# Altium PCB PCB5.PcbDoc
Units mm, origin at the board's own origin, x right, y up, seen from the top; angles counter-clockwise.
Board outline 87.5 x 87.5 mm, 2 copper layers (Top Layer, Bottom Layer); 41 components, 33 nets, 123 pads, 47 vias.
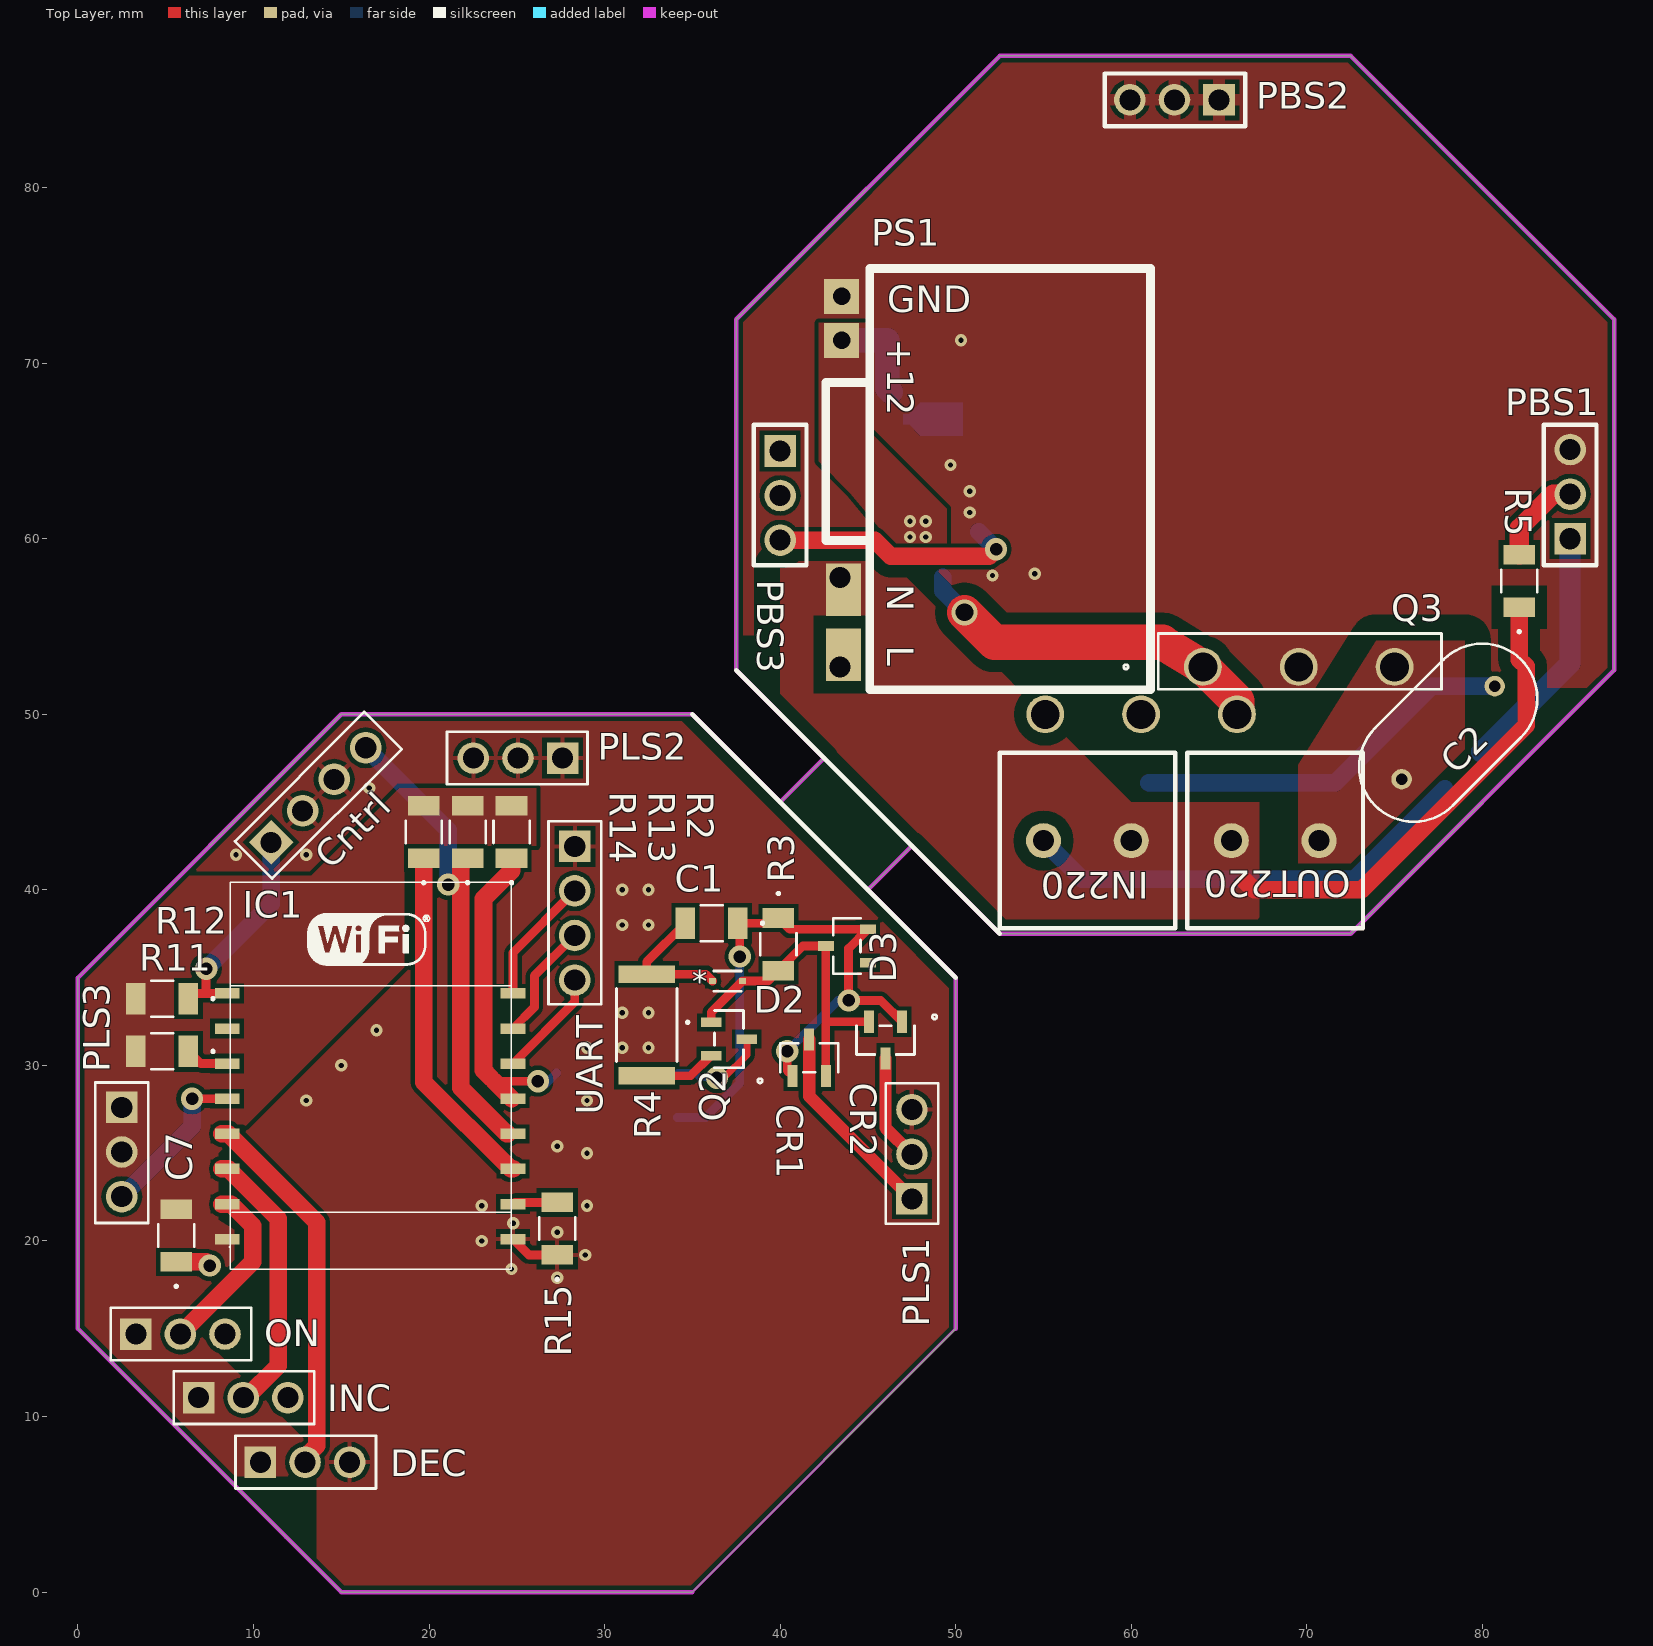
[diagram p0: Top Layer view]
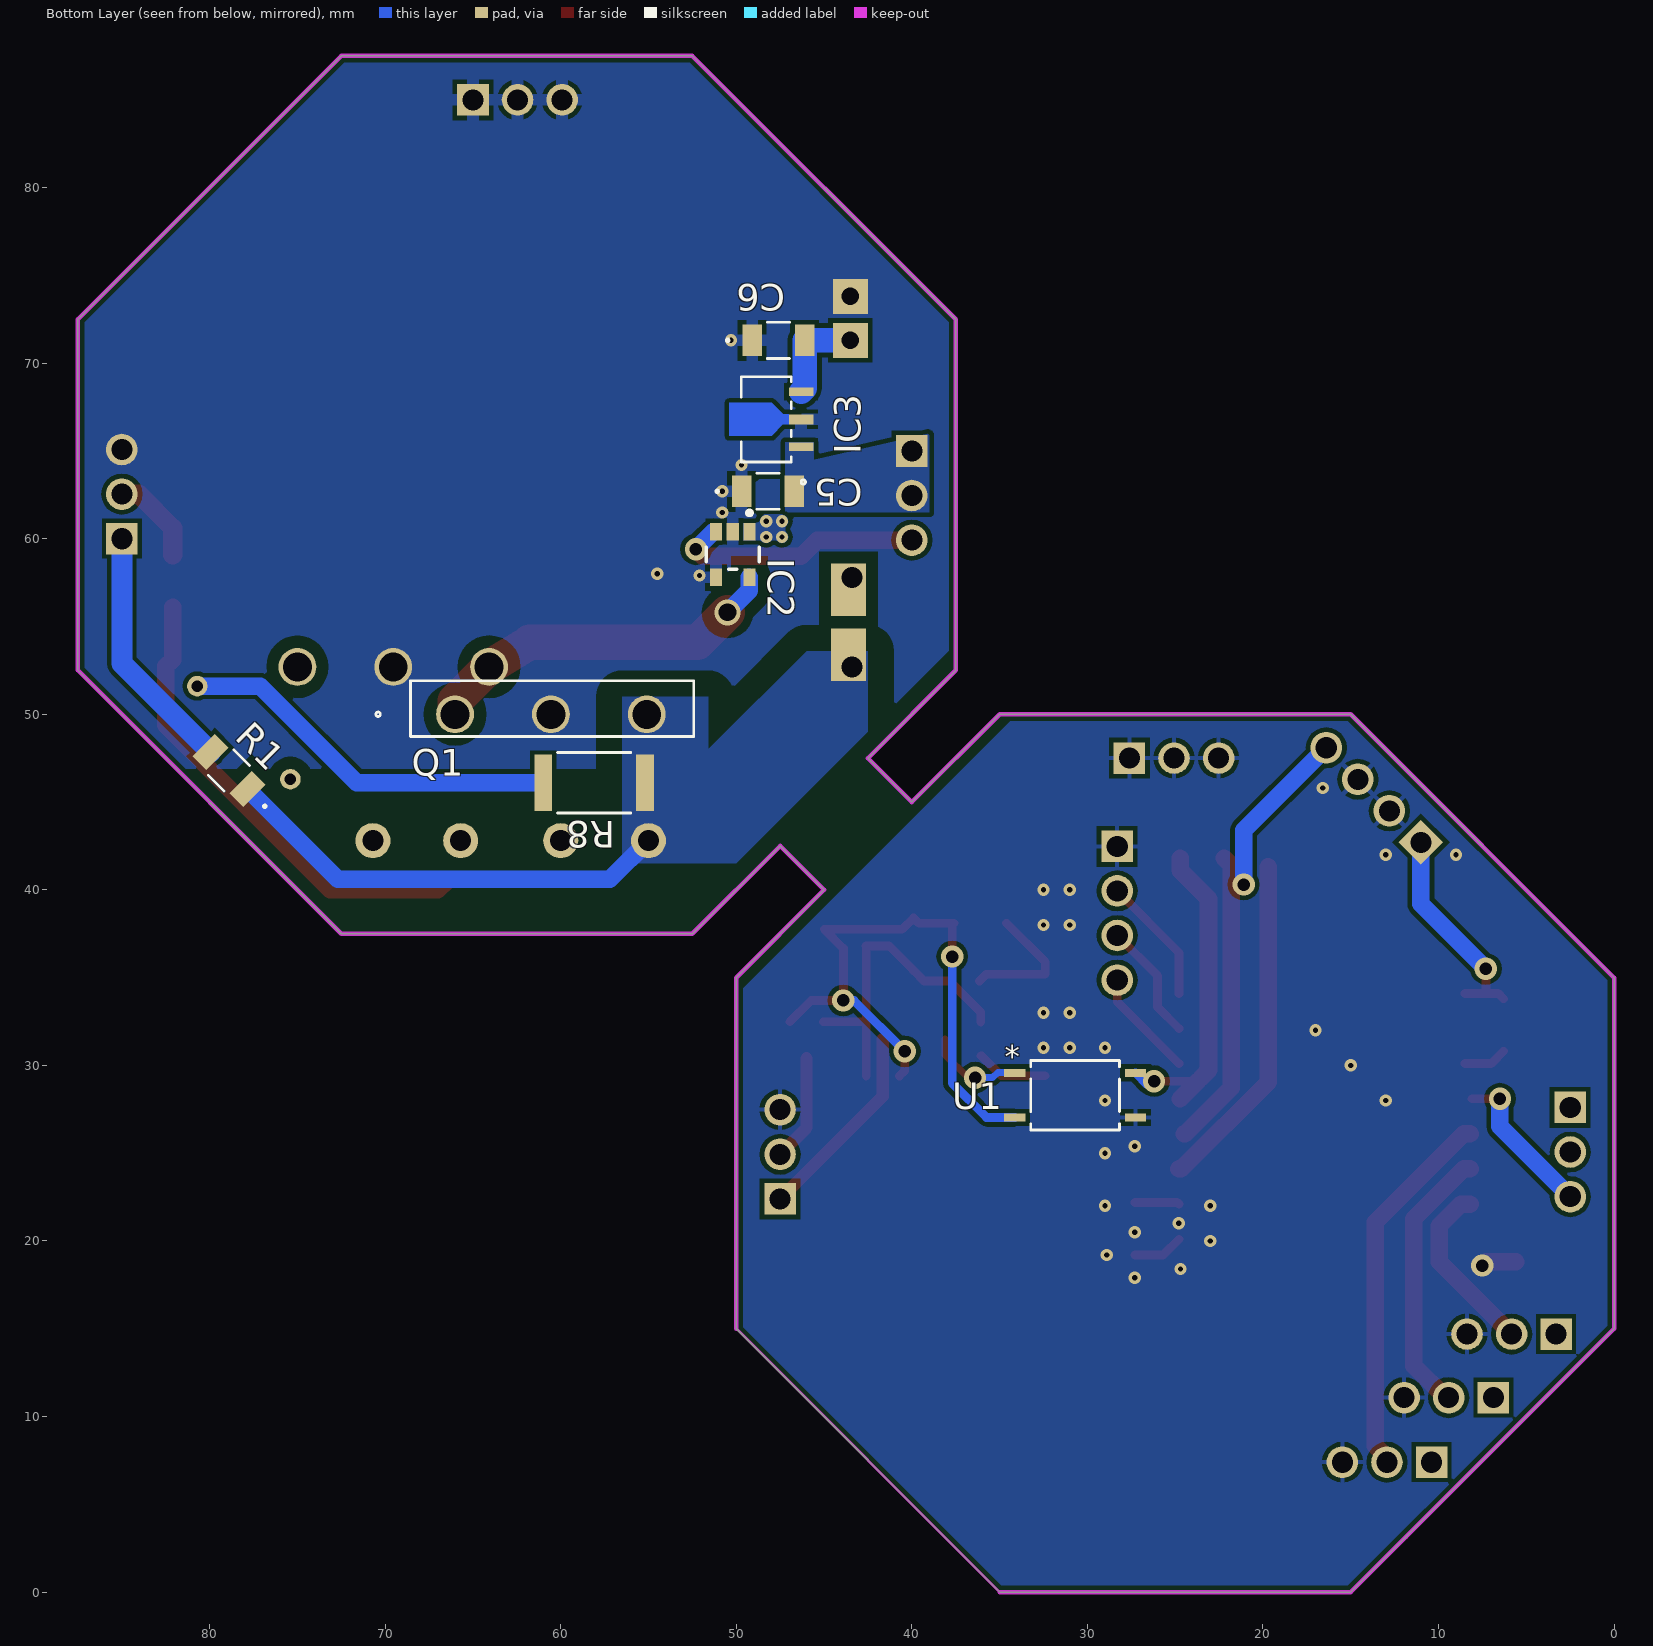
[diagram p1: Bottom Layer view, seen from below]
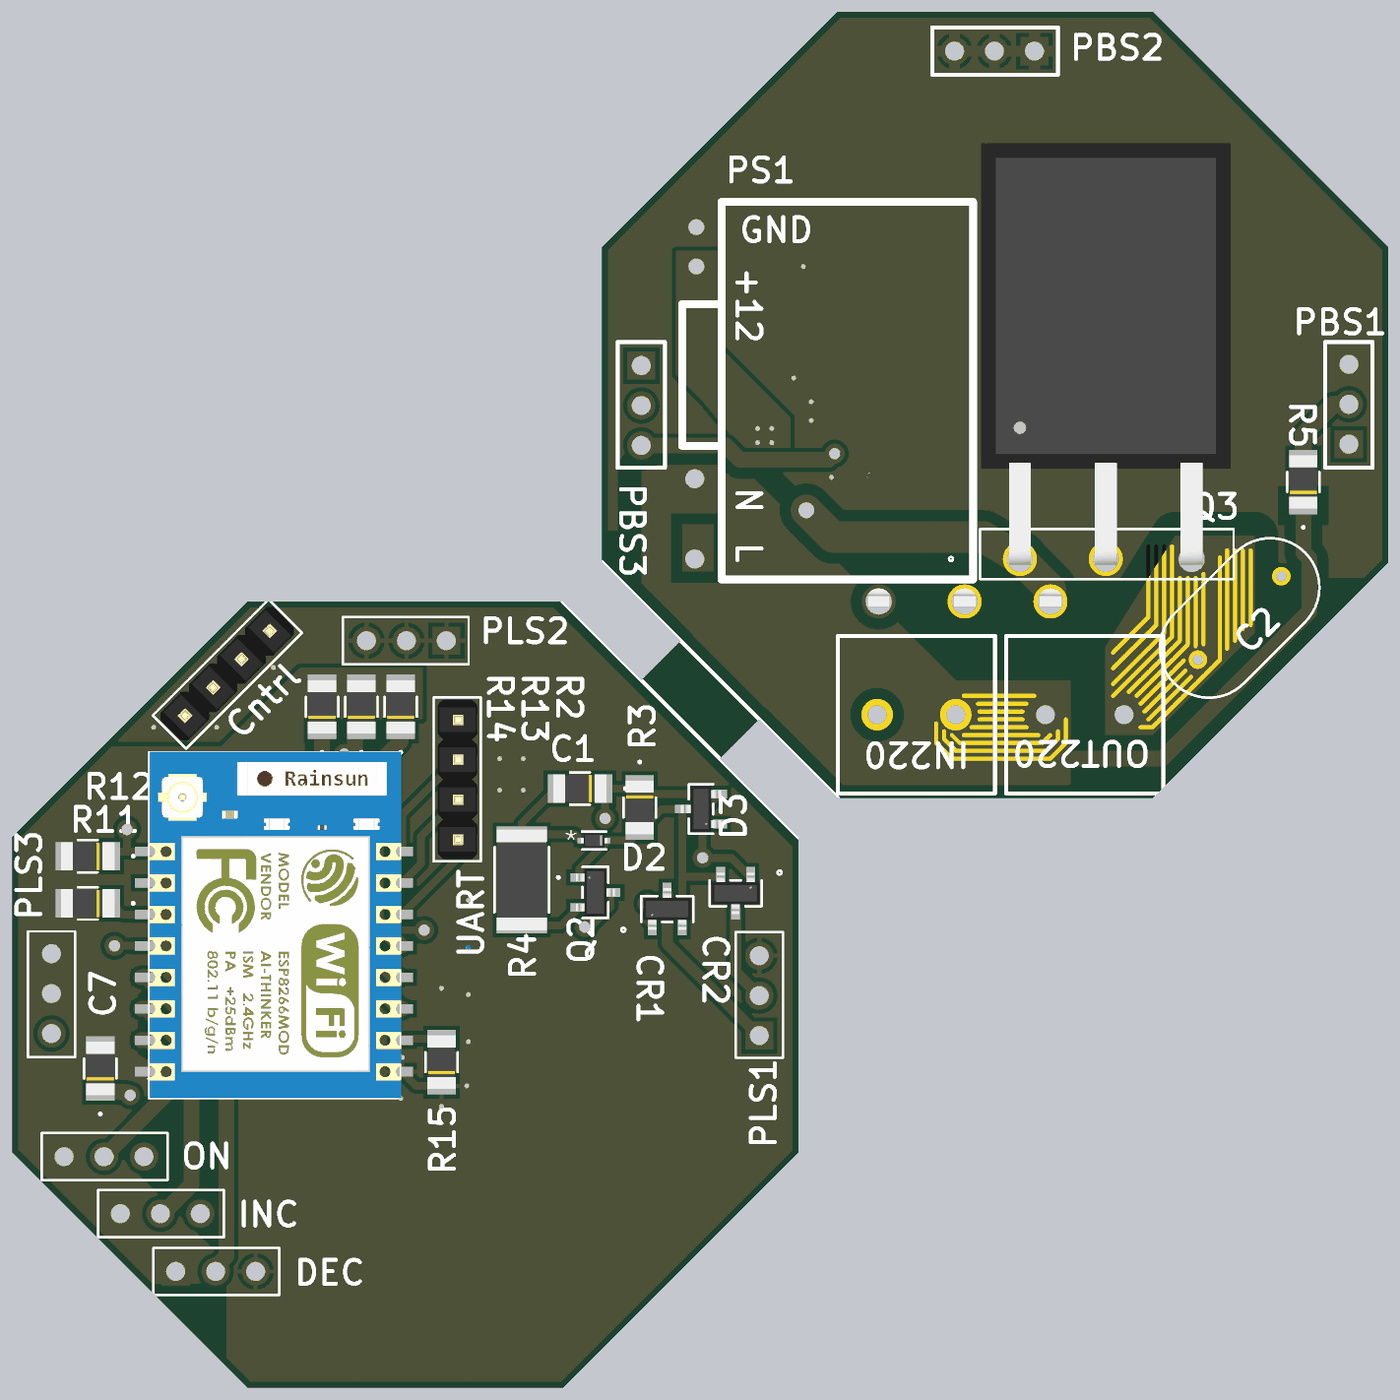
[diagram p2: 3D render of the assembled board from above, using the file's embedded part models]
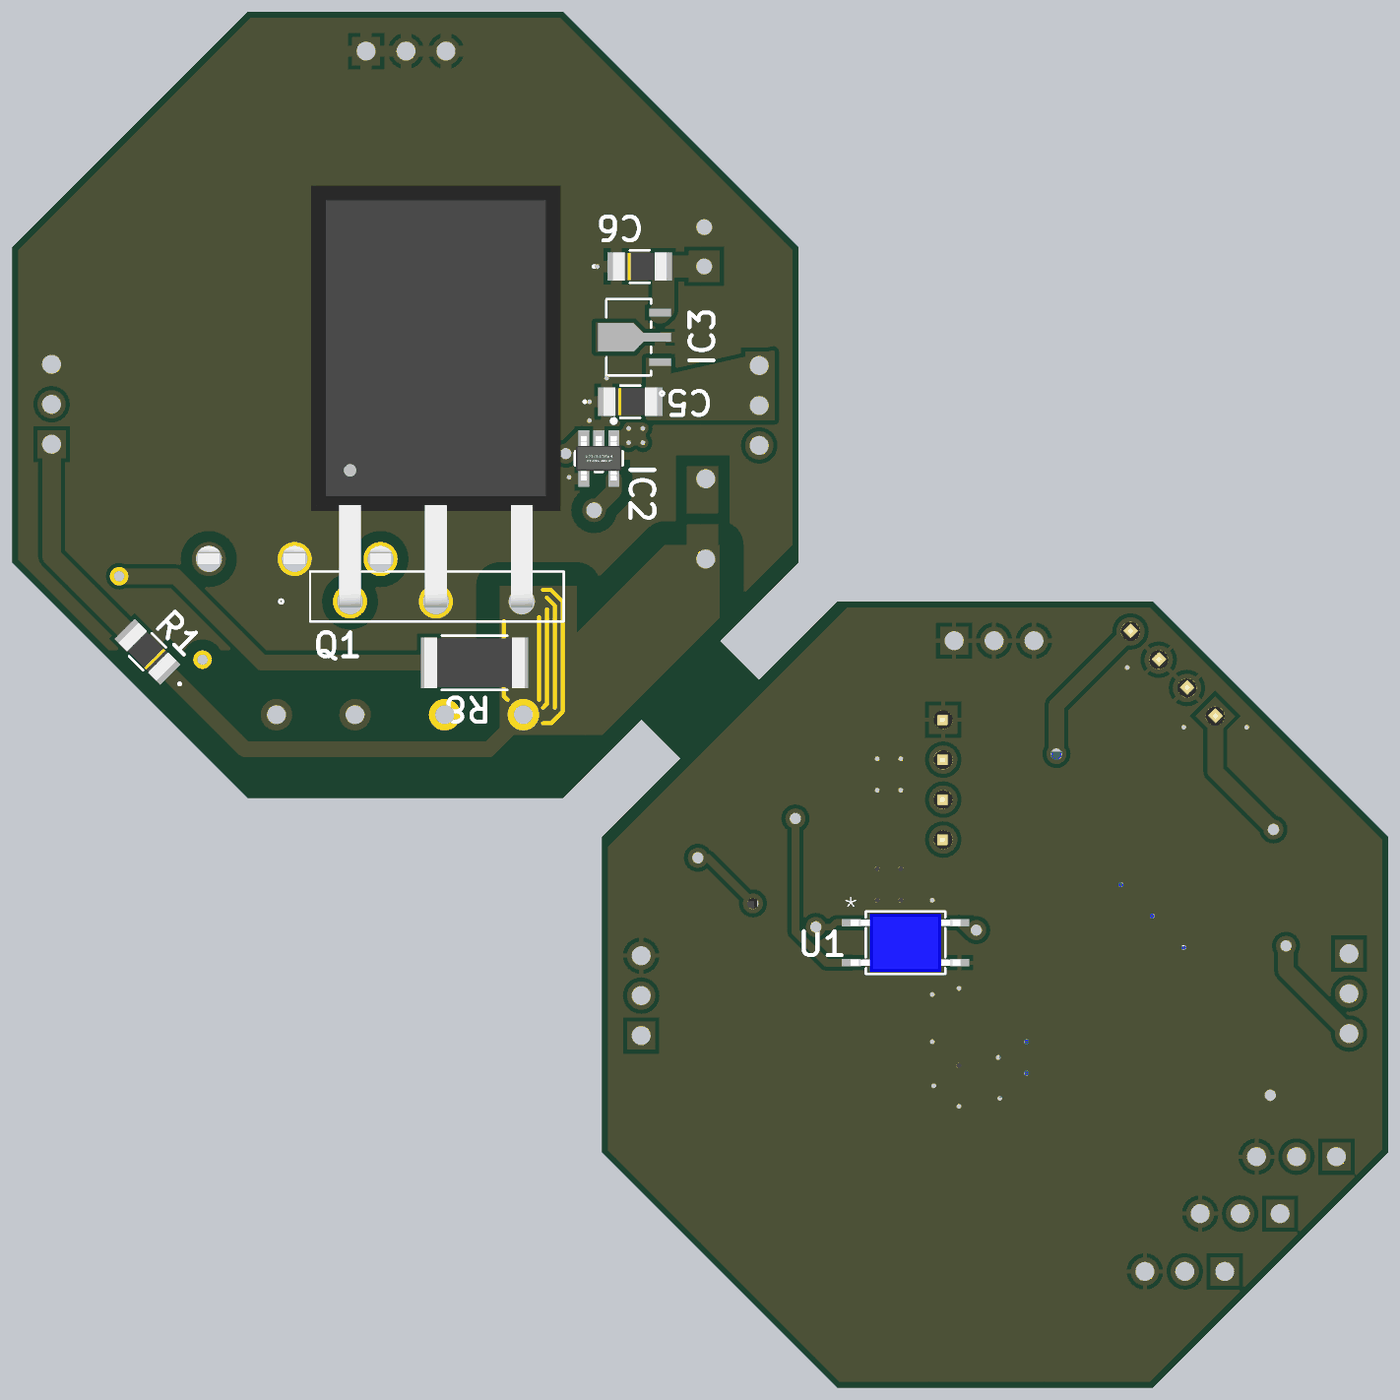
[diagram p3: 3D render of the assembled board from below, using the file's embedded part models]

## Layer stack, top to bottom
Top Solder: solder mask 0.0102, Solder Resist, Dk 3.5
Top Layer: signal copper 0.0356
Dielectric 1: dielectric 0.32, FR-4, Dk 4.8
Bottom Layer: signal copper 0.0356
Bottom Solder: solder mask 0.0102, Solder Resist, Dk 3.5

## Board outline
11.875,3.125 15,0 35,0 50,15 50,35 45,40 47.5,42.5 52.5,37.5 72.5,37.5 87.5,52.5 87.5,72.5 72.5,87.5 52.5,87.5 37.5,72.5 37.5,52.5 42.5,47.5 40,45 35,50 15,50 0,35 0,15

## Design rules (kind name [scope] priority, off if disabled: settings)
Clearance "Clearance_PS1 pads 0.254" [InPadClass('PS1 Pads')] p1: gap=0.254
Clearance Clearance_0.25 [InPadClass('IC2 Pads')] p2: gap=0.25
Clearance Clearance_Power_Nets_0.7mm [InNetClass('Power_Nets')] p3: gap=0.7 except(1.5: Poly-Poly)
Clearance [All] p4: gap=0.254
ComponentClearance ComponentClearance_1 [InComponent('PS1')] p1: gap=0 collisioncheckmode=3 verticalgap=0.254 showdistances=FALSE
ComponentClearance [All] p2: gap=0.254 collisioncheckmode=3 verticalgap=0.254 showdistances=FALSE
MinimumSolderMaskSliver [All] p1: minsoldermaskwidth=0.15
PolygonConnect PolygonConnect_Via [(ObjectKind = 'Via') And ((Net = 'GNDA') Or (Net = 'VCCA12') Or (Net = 'LOAD_CNTRLA')Or (Net = 'GND'))] p1: connectstyle=Direct reliefconductorwidth=0.254 reliefentries=4 polygonreliefangle="90 Angle" airgapwidth=0.254
PolygonConnect PolygonConnect_PowerPads [(InPadClass('Power Pads')) Or (Net='VCC3.3')] p2: connectstyle=Direct reliefconductorwidth=0.254 reliefentries=4 polygonreliefangle="90 Angle" airgapwidth=0.254
PolygonConnect PolygonConnect_GNDA_0.5 [InNet('GNDA')] p3: connectstyle=Relief reliefconductorwidth=0.7 reliefentries=4 polygonreliefangle="90 Angle" airgapwidth=0.254
PolygonConnect [All] p4: connectstyle=Relief reliefconductorwidth=0.254 reliefentries=4 polygonreliefangle="90 Angle" airgapwidth=0.254
RoutingVias [All] p1: holewidth=0.711 width=1.27 viastyle="Through Hole" minholewidth=0.254 minwidth=0.7 maxholewidth=1 maxwidth=1.524
SilkToSolderMaskClearance [IsPad] p1: minsilkscreentomaskgap=-1 clearancetoexposedcopper=TRUE
SolderMaskExpansion [All] p1: expansion=-1
Width Width_2mm [InNetClass('Power_Nets')] p1: maxlimit=4 minlimit=1 preferedwidth=2
Width Width_1mm [InNetClass('Middle Nets')] p2: maxlimit=1.4 minlimit=0.7 preferedwidth=1
Width [All] p3: maxlimit=1 minlimit=0.254 preferedwidth=0.5
27 further rules are at their usual default settings.

## Classes and differential pairs
pad class "Power Pads": C2-1 C5-2 IC2-1 IC2-5 IC3-1 IN220-1 IN220-2 OUT220-1 OUT220-2 PBS1-3 PBS3-1 PBS3-2 PBS3-3 PS1-1 PS1-2 PS1-3 PS1-4 Q1-1 Q1-2 Q1-3 Q3-1 Q3-2 Q3-3 R1-1 R5-1 R8-2
component class dimmer: C2 C5 C6 C7 Cntrl CR1 D2 D3 DEC IC1 IC2 IC3 IN220 INC ON OUT220 PBS1 PBS2 PBS3 PLS1 PLS2 PLS3 Q1 Q2 Q3 R1 R2 R3 R4 R5 R8 R11 R12 R13 R14 R15 U1 UART
pad class "IC2 Pads": IC2-1 IC2-2 IC2-3
net class Power_Nets: L_IN L_OUT N_IN NetIC2_5
net class "Middle Nets": LOAD_CNTRLA NetC2_2 NetPBS1_1 NetPBS1_2 VCCA12

## Components (designator, comment, footprint, x,y, rotation, side; value= is the part's Value field where it differs from the comment)
C1 "1206 0.47u" CAP_X7R_1206_AVX 36.1,38.1 r180 top
C2 "CK45-E3AD103ZYGNA (0.01u)" CAP_CK45E3103_TDK 78.052,48.952 r45 top
C5 "C-1206 (0.1u)" CAP_X7R_1206_AVX 48.2,62.7 r180 bottom
C6 "C-1206 0.33u" CAP_X7R_1206_AVX 47.6,71.3 r180 bottom
C7 "C-1206 0.47u" CAP_X7R_1206_AVX 5.6,20.3 r90 top
Cntrl "PLS-4" PLS-4 11.004,42.704 r45 top
CR1 "BAV99LT1G" SOT-23_TO-236_318-08_ONS 41.65,30.441 r0 top
CR2 "BAV99LT1G" SOT-23_TO-236_318-08_ONS 46,31.441 r180 top
D2 "1N4148WT" CR_SOD-523F_ONS 37,34.8 r0 top
D3 "BZX84C22VLFHT116" TRANS_BZX84_ROM 43.8,36.8 r90 top
DEC "PLS-3" PLS-3 13,7.4 r0 top
IC1 "ESP8266 ESP-07" "ESP8266 ESP-07" 8.678,39.633 r270 top
IC2 "FAN3100TSX" ON_Semi_527AH_0 50.2,59.1 r0 bottom
IC3 "L78L33ABUTR" SOT-89_STM 48.3,66.8 r90 bottom
IN220 "300-021-12" 300-021-12#1 62.5,47.8 r180 top
INC "PLS-3" PLS-3 9.483,11.077 r0 top
ON "PLS-3" PLS-3 5.9,14.7 r0 top
OUT220 "300-021-12" 300-021-12#2 73.2,47.8 r180 top
PBS1 "PBS-3" PBS-3 85,60 r90 top
PBS2 "PBS-3" PBS-3 65,85 r180 top
PBS3 "PBS-3" PBS-3 40,65 r270 top
PLS1 "PLS-3" PLS-3 47.5,25 r90 top
PLS2 "PLS-3" PLS-3 25,47.5 r180 top
PLS3 "PLS-3" PLS-3 2.5,25 r270 top
PS1 "220to12" 220to12 45.1,77.4 r270 top
Q1 "IRFP460APBF" TO-247AC_VIS#1 66.02,50 r180 bottom
Q2 "BC807-25,215" SOT23_BC807_NEX 37.084,31.5 r270 top
Q3 "IRFP460APBF" TO-247AC_VIS#2 64.08,52.7 r0 top
R1 "120k" CAP_X7R_1206_AVX 78.9,46.8 r45 bottom
R2 "10k" CAP_X7R_1206_AVX 24.7,43.3 r90 top
R3 "330k" CAP_X7R_1206_AVX 39.9,36.9 r270 top
R4 "R-2512 220" RES2512_TL_TYCO_TYC 32.4,32.3 r270 top
R5 "120k" CAP_X7R_1206_AVX 82.1,57.6 r90 top
R8 "220" RES2512_TL_TYCO_TYC 58.1,46.1 r180 bottom
R11 "10k" CAP_X7R_1206_AVX 4.8,30.8 r180 top
R12 "10k" CAP_X7R_1206_AVX 4.8,33.8 r180 top
R13 "10k" CAP_X7R_1206_AVX 22.2,43.3 r90 top
R14 "10k" CAP_X7R_1206_AVX 19.7,43.3 r90 top
R15 "10k" CAP_X7R_1206_AVX 27.3,20.7 r90 top
U1 "TLP183(GR-TPL,E" "4pin SO6_TOS" 30.7,28.3 r180 bottom
UART "PLS-4" PLS-4 28.3,42.48 r270 top

## Footprints (in the part's own frame and the unit in brackets; to place one, negate y for a bottom-side part, rotate by r counter-clockwise, add the part's x,y. Pads: shape width x height; smd on the part's side, far side on the other; paste and mask are expansions set on the pad)
"4pin SO6_TOS" [mil]
  rect 47.56x17.97 smd paste+0 mask+0: 1(-135.5,50) 3(-135.5,-50) 4(135.5,-50) 6(135.5,50)
  silkscreen extent -100,-78 100,78, body extent -138,-73 138,73, height 87
220to12 [mm]
  rect 3x2 hole 1.2 copper offset -0.7,0.2: 1(24.7,-1.7)
  rect 3x2 hole 1.2 copper offset 0.7,0.2: 2(19.6,-1.7)
  rect 2x2 hole 1: 3(6.1,-1.6) 4(3.6,-1.6)
  silkscreen extent 2,-2.5 26,16
300-021-12#1 [mm]
  round 2 hole 1.2 paste+0 mask+0: 1(2.5,5)
  round 2 hole 1.2 mask+0: 2(7.5,5)
  silkscreen extent 0,0 10,10
300-021-12#2 [mm]
  round 2 hole 1.2: 1(2.5,5) 2(7.5,5)
  silkscreen extent 0,0 10,10
CAP_CK45E3103_TDK [mil]
  round 46 hole 26 mask+0: 1(-147.64,0) 2(147.64,0)
  silkscreen extent -231,-123 232,123, body extent 0,0 10,10, height 10
CAP_X7R_1206_AVX [mil]
  rect 43.78x71 smd paste+0 mask+0: 1(-58.89,0) 2(58.89,0)
  silkscreen extent -117,-40 25,40, body extent -67,-36 67,36, height 50
CR_SOD-523F_ONS [mil]
  rect 15.87x14 smd paste+0 mask+0: 1(-33.44,0) 2(33.44,0)
  silkscreen extent -31,-22 31,22, body extent -34,-17 34,17, height 28
"ESP8266 ESP-07" [mm] "ESP8266 ESP-01"
  rect 0.6x1.4 smd: 1(5.533,-0.178) 2(7.533,-0.178) 3(9.533,-0.178) 4(11.533,-0.178) 5(13.533,-0.178) 6(15.533,-0.178) 7(17.533,-0.178) 8(19.533,-0.178) 9(19.533,16.104) 10(17.533,16.104) 11(15.533,16.104) 12(13.533,16.104) 13(11.533,16.104) 14(9.533,16.104) 15(7.533,16.104) 16(5.533,16.104)
  silkscreen extent -0.8,-0.05 21.25,16, body extent -0.81,0.07 21.19,16.07, height 3.5
ON_Semi_527AH_0 [mm]
  rect 0.7x1 smd paste+0 mask+0: 1(-0.95,-1.3) 2(0,-1.3) 3(0.95,-1.3) 4(0.95,1.3) 5(-0.95,1.3)
  silkscreen extent -1.5,-2.5 1.5,0.85, body extent -1.45,-1.4 1.45,1.4, height 1.5
PBS-3 [mm]
  rect 1.8x1.8 hole 1.2: 1(0,0)
  round 1.8 hole 1.2: 2(2.54,0) 3(5.08,0)
  silkscreen extent -1.5,-1.5 6.5,1.5
PLS-3 [mm]
  rect 1.8x1.8 hole 1.2: 1(-2.605,-0.005)
  round 1.8 hole 1.2: 2(-0.065,-0.005) 3(2.475,-0.005)
  silkscreen extent -4.03,-1.51 3.97,1.5
PLS-4 [mm]
  rect 1.8x1.8 hole 1.2: 1(0,0)
  round 1.8 hole 1.2: 2(2.54,0) 3(5.08,0) 4(7.62,0)
  silkscreen extent -1.42,-1.5 9.01,1.5, body extent -1.28,-1.25 8.88,1.29, height 9.2
RES2512_TL_TYCO_TYC [mil]
  rect 39.87x126 smd paste+0 mask+0: 1(-113.94,0) 2(113.94,0)
  silkscreen extent -82,-68 82,68, body extent -126,-63 126,63, height 24
SOT23_BC807_NEX [mil]
  rect 21.36x45.56 smd paste+0 mask+0: 1(-37.5,-40) 2(37.5,-40) 3(0,40)
  silkscreen extent -64,-96 64,32, body extent -59,-49 59,49, height 43
SOT-23_TO-236_318-08_ONS [mil]
  rect 22.36x49.56 smd paste+0 mask+0: 1(-37.4,-41) 2(37.4,-41) 3(0,41)
  silkscreen extent -115,-57 65,32, body extent -60,-52 60,52, height 44
SOT-89_STM [mil]
  rect 19x54.87 smd paste+0 mask+0: 1(-61.81,-78.44) 3(61.81,-78.44)
  rect 22x54.87 smd paste+0 mask+0: 2(0,-78.44)
  Top Layer region: 11,-51 -11,-51 -11,-37 -36.98,-12.98 -36.98,82.78 36.98,82.78 36.98,-12.98 11,-37.98
  silkscreen extent -145,-88 96,56, body extent 0,0 10,10, height 10
TO-247AC_VIS#1 [mil]
  round 85 hole 65 mask+0: 1(0,0) 2(214.96,0)
  round 85 hole 65: 3(429.92,0)
  silkscreen extent -178,-50 535,75, body extent -98,-14 527,1041, height 211
TO-247AC_VIS#2 [mil]
  round 85 hole 65 mask+0: 1(0,0) 2(214.96,0)
  round 85 hole 65 paste+0 mask-39.37: 3(429.92,0)
  silkscreen extent -178,-50 535,75, body extent -98,-14 527,1041, height 211
TRANS_BZX84_ROM [mil]
  rect 22x36 smd paste+0 mask+0: 1(-37.4,-47) 2(37.4,-47) 3(0,47)
  silkscreen extent -62,-31 62,31, body extent -57,-51 57,51, height 45

## Part data
C1 C5 C6 C7: library part C-1206, "No Description Available"
C2: library part CK45-E3AD103ZYGNA, "No Description Available"
CR1 CR2 D2 D3 IC3 Q1 Q2 Q3 U1: "No Description Available"
R1 R2 R3 R5 R11 R12 R13 R14 R15: library part R-1206, "R-1206"
R4 R8: library part R-2512, "No Description Available"

## Via types
v1: diameter 0.7, hole 0.3, Top Layer to Bottom Layer, 36 vias
v2: diameter 1.27, hole 0.711, Top Layer to Bottom Layer, 9 vias
v3: diameter 1.5, hole 1, Top Layer to Bottom Layer, 1 vias
v4: diameter 1.27, hole 0.711, Top Layer to Bottom Layer, tented both sides, 1 vias

## Nets (pads, with @x,y where several pads share a name; then routed paths per layer and width w, separated by ;. In a path a pad name is that pad's centre, name@x,y a point inside that pad or via, vN(x,y) a via of type N, cw(c..) or ccw(c..) an arc to the next point about the centre after c; other vN are vias at no path point)
BTN_DEC: DEC.2 IC1.5 | length 21.6
  Top Layer w1: IC1.5@8.2,26.1 IC1.5 8.566,26.1 13.612,21.054 13.612,8.342 12.8,7.53 DEC.2
BTN_INC: IC1.6 INC.2 | length 15.5
  Top Layer w1: IC1.6@8.2,24.1 IC1.6 8.566,24.1 11.4,21.266 11.4,12.9 9.572,11.072 INC.2
BTN_ON: IC1.7 ON.2 | length 10.1
  Top Layer w1: ON.2 9.954,18.814 9.954,20.865 8.719,22.1 IC1.7 IC1.7@8.2,22.1
DETECT_L: CR1.3 PLS1.1 | length 11.5
  Top Layer w0.7: CR1.3 41.65,28.25 PLS1.1
DETECT_N: CR2.3 PLS1.2 | length 6.2
  Top Layer w0.7: CR2.3 46,26.44 PLS1.2 PLS1.2@47.619,24.935
DETECT_NULL: IC1.13 R2.1 U1.6 | length 18.9
  Top Layer w0.5: 23.515,29.3 23.715,29.1 v2(26.2,29.1)
  Top Layer w1: 23.515,29.3 23.1,29.715 23.1,39.5 24.7,41.1 R2.1 ; 23.715,29.1 IC1.13@24.715,28.1
  Bottom Layer w0.5: v2(26.2,29.1) 26.388,29.1 26.588,28.9 U1.6
GND: C7.1 Cntrl.2 Cntrl.3 DEC.3 IC1.9 INC.3 ON.3 PLS1.3 PLS2.1 PLS2.2 PLS2.3 R15.1 U1.4 UART.1 | length 4.9
  Top Layer w0.5: IC1.9 25.678,19.204 R15.1
  Top Layer w1: C7.1 7.296,18.804 v2(7.5,18.6)
  other v1: 27.3,17.9 24.7,18.4 28.9,19.2 23,20 27.3,20.5 24.8,21 23,22 29,22 29,25 27.3,25.4 13,28 29,28 15,30 29,31 31,31 32.5,31 17,32 31,33 32.5,33 31,38 32.5,38 31,40 32.5,40 9,42 13,42 16.6,45.8
GNDA: C5.1 C6.1 IC2.2 IC2.4 IC3.2 PBS1.3 PBS2.1 PBS2.2 PBS2.3 PS1.4 Q1.2 Q3.2
  other v1: 52.1,57.9 54.5,58 50.8,61.5 50.8,62.7 49.7,64.2 50.3,71.3
L_IN: IN220.2 PS1.1 Q1.3 R1.1 R8.2 | length 25.9
  Bottom Layer w1: IN220.2 57.2,40.6 72.7,40.6 R1.1@77.85,45.75
L_OUT: C2.1 OUT220.1 Q3.3
LOAD_CNTRL: IC1.4 PLS3.3 | length 8.8
  Top Layer w0.5: v2(6.5,28.1) IC1.4@8.1,28.1
  Bottom Layer w1: PLS3.3 6.5,26.53 v2(6.5,28.1)
LOAD_CNTRLA: IC2.3 PBS3.3 | length 14.3
  Top Layer w1: PBS3.3 45.376,59.92 46.3,58.996 51.896,58.996 v2(52.3,59.4)
  Bottom Layer w1: IC2.3@51.3,60.4 v2(52.3,59.4)
MODE: IC1.14 UART.4 | length 6.2
  Top Layer w0.5: IC1.14 28.3,33.619 UART.4
N_IN: IN220.1 OUT220.2 PS1.2 R5.1 | length 27
  Top Layer w1: 66.5,40.5 67,40 73.123,40 82.488,49.364 82.488,52.73 82.1,53.117 R5.1
NetC1_1: C1.1 CR1.1 CR2.1 D3.2 R3.1 U1.3 | length 35.7
  Top Layer w0.5: v2(37.7,36.2) 37.7,37.996 C1.1 39.604,38.1 R3.1 40.546,37.75 D3.2 43.9,36.656 v2(43.9,33.7) 45.733,33.7 CR2.1 ; v4@40.5,30.8 v4(40.4,30.8) 40.4,29.7 CR1.1
  Bottom Layer w0.5: U1.3 35.741,27.03 37.7,28.989 v2(37.7,36.2) ; v4(40.4,30.8) 43.3,33.7 v2(43.9,33.7)
NetC1_2: C1.2 D2.1 R4.1 | length 7.7
  Top Layer w0.5: C1.2 32.4,35.896 R4.1 35.757,35.194 D2.1
NetC2_2: C2.2 R8.1 | length 22
  Bottom Layer w1: R8.1 71.624,46.1 77.127,51.603 C2.2
NetCntrl_1: Cntrl.1 IC1.1 R12.1 | length 12.5
  Top Layer w0.5: R12.1 6.596,34.1 7.3,34.1 ; v2(7.3,35.5) 7.3,34.1 ; IC1.1 7.3,34.1
  Bottom Layer w1: v2(7.3,35.5) 11.004,39.204 Cntrl.1
NetCntrl_4: Cntrl.4 IC1.12 R13.1 | length 27.6
  Top Layer w1: v2(21.1,40.3) 21.5,40.3 21.8,40.6 ; R13.1 21.8,41.404 21.8,40.6 ; IC1.12@24.481,26.1 24.415,26.1 21.8,28.715 21.8,40.6
  Bottom Layer w1: Cntrl.4 21.1,43.384 v2(21.1,40.3)
NetCR1_2: CR1.2 CR2.2 D2.2 D3.3 Q2.1 R3.2 | length 18.6
  Top Layer w0.5: Q2.1 36.068,33.019 D2.2 39.296,34.8 R3.2 41.296,36.8 D3.3 42.6,36.794 42.6,32.4 ; CR1.2 42.6,32.4 ; CR2.2 42.683,32.483 42.6,32.4
NetIC1_3: IC1.3 R11.1 | length 2.5
  Top Layer w0.5: R11.1 6.996,30.1 IC1.3
NetIC1_10: IC1.10 R15.2 | length 2.6
  Top Layer w0.5: IC1.10 24.877,22.196 R15.2
NetIC1_11: IC1.11 R14.1 | length 19.4
  Top Layer w1: R14.1@19.7,41.308 19.7,29.042 24.642,24.1 IC1.11
NetIC2_5: IC2.5 Q1.1 Q3.1 | length 20.7
  Top Layer w2: v3(50.5,55.8) 52.2,54.1 61.777,54.1 Q3.1 66.02,50.76 Q1.1
  Bottom Layer w1: IC2.5 49.25,57.05 v3(50.5,55.8)
NetPBS1_1: PBS1.1 R1.2 | length 14.2
  Bottom Layer w1.2: R1.2 85,52.9 PBS1.1@85,59.96
NetPBS1_2: PBS1.2 R5.2 | length 5.2
  Top Layer w1.1: R5.2 82.1,60.6 84.04,62.54 PBS1.2
NetQ2_2: Q2.2 R4.2 | length 4.1
  Top Layer w0.5: R4.2 34.895,29.406 36.037,30.548 Q2.2
NetQ2_3: Q2.3 U1.1 | length 5.5
  Top Layer w0.4: v2(36.4,29.3) 36.8,29.3 38.1,30.6 Q2.3
  Bottom Layer w0.4: U1.1 34.172,29.6 35.1,29.6 35.4,29.3 v2(36.4,29.3)
RX: IC1.15 UART.3 | length 6.8
  Top Layer w0.5: IC1.15 26,33.319 26,35.1 UART.3
TX: IC1.16 UART.2 | length 7.3
  Top Layer w0.5: IC1.16 24.781,36.421 UART.2
VCC3.3: C7.2 DEC.1 IC1.8 INC.1 ON.1 PLS3.1 PLS3.2 R2.2 R11.2 R12.2 R13.2 R14.2
VCCA3.3: C5.2 IC3.1 PBS3.1 PBS3.2
VCCA12: C6.2 IC2.1 IC3.3 PS1.3 | length 5.6
  Bottom Layer w1.4: PS1.3 C6.2 46.104,68.574 IC3.3
  other v1: 47.4,60.1 48.3,60.1 47.4,61 48.3,61
pads on no net: D3.1 IC1.2

## Polygon pours and split planes (outlines as drawn)
VCCA12 on Bottom Layer "Bottom VCCA12" (solid, pour order 56): 49.6,62.9 49.2,62.9 48.7,63.4 47,63.4 47,61.7 49.6,61.7 49.6,61.9
GND on Bottom Layer "Bottom GND" (solid, pour order 48): 34,50 50,34 50,15 35,0 15,0 0,15 0,35 15,50
VCCA3.3 on Bottom Layer "Bottom VCCA3.3" (solid, pour order 42): 39,66 39,61.5 40.9,61.5 47.2,61.5 47.2,63.4 47.2,65.5 45.6,65.5 45.6,64.5
L_IN on Bottom Layer "Bottom L_IN" (solid, pour order 62): 51.6,51 56.5,51 56.5,41.7 56.5,41.5 51.5,41.5 50,41.5 42.5,49 42.5,53.6 46,53.6 51.6,48 51.6,48.1
GNDA on Bottom Layer "Bottom GNDA" (solid, pour order 68): 72.5,87.5 87.5,72.5 87.5,52.5 81.9,46.9 44.6,46.9 37.5,54 37.5,72.5 52.5,87.5
VCCA12 on Bottom Layer "Bottom VCCA12" (solid, pour order 70): 49.6,60.9 48.9,60.9 48.4,61.4 46.965,61.403 46.965,59.665 48.665,59.665 48.9,59.9 49.6,59.9
N_IN on Top Layer "Top N_IN" (solid, pour order 60): 67.292,44.991 60.009,44.991 45.6,59.4 40,59.4 40,51.1 53.8,37.3 67.3,37.3
GND on Top Layer "Top GND" (solid, pour order 52): 15,50 34,50 50,34 50,15 35,0 15,0 13.612,1.388 13.612,21 13.612,21.388 0,35
VCC3.3 on Top Layer "Top VCC3.3" (solid, pour order 44): 8.4,6.6 0,15 0,35 1,36 5.8,40.8 13.3,40.8 18.3,45.8 26.1,45.8 26.1,42.5 18.6,42.5 18.6,35.6 8,25 8,21.212 8.9,20.65 8.9,18.915 5.85,15.75 15,6.6
VCCA12 on Top Layer "Top VCCA12" (solid, pour order 36): 42.2,72.3 44.9,72.3 44.9,70 44.9,66.3 48.6,62.6 49.5,61.7 49.5,60.9 49.5,59.6 48.2,59.6 46.5,59.6 44,62.6 42.2,64.4
L_OUT on Top Layer "Top L_OUT" (solid, pour order 64): 73.952,54.2 79,54.2 79,48 72.5,41.5 69.5,41.5 69.5,47.125
GNDA on Top Layer "Top GNDA" (solid, pour order 66): 72.5,87.5 87.5,72.5 87.5,52.5 86.5,51.5 64.697,51.5 61.1,54.511 37.5,54.511 37.5,72.5 52.5,87.5

## Keep-outs
Keep-Out Layer:
  lines w0.152: 35,0 50,15
  lines w0.254: 35,0 15,0 11.875,3.125 0,15 0,35 15,50 35,50 40,45 ; 50,15 50,35 ; 37.5,52.5 37.5,72.5 52.5,87.5 72.5,87.5 87.5,72.5 87.5,52.5 72.5,37.5 52.5,37.5 ; 37.5,52.5 37.5,52.5 ; 37.5,52.5 42.5,47.5 40,45 ; 40,45 40,45 ; 45,40 47.5,42.5 52.5,37.5 ; 45,40 45,40 ; 45,40 50,35 ; 50,35 50,35 ; 52.5,37.5 52.5,37.5 ; 52.5,37.5 52.5,37.5

## Silkscreen, mask and mechanical layers (free items; w line width, h text height)
Top Overlay:
  lines w0.254: 35,50 50,35 ; 37.5,52.5 52.5,37.5
Top Solder:
  lines w0.254: 58.75,42.25 58.75,41 59.75,40 65.75,40 66,40 67,41 67,42.5 ; 59.25,41.75 59.25,41.25 60,40.5 65.75,40.5 66.5,41.25 66.5,41.75 ; 60.5,41.5 65.25,41.5 ; 60.5,44 60.75,44 65,44 ; 61,42 64.5,42 ; 61.4,43.5 64.5,43.5 ; 61.5,42.5 64,42.5 64.25,42.5 ; 61.5,43 64,43 64.25,43 ; 66,41.5 65.5,41 60.25,41 59.75,41.5 ; 70,44 73.75,47.75 73.75,52.25 73.75,53.5 ; 70,44.75 73.25,48 73.25,53.5 ; 70,45.75 72.75,48.5 72.75,53.5 ; 70,46.75 72.25,49 72.25,53.5 ; 71,44.25 74.25,47.5 74.25,51.5 ; 71.5,44 74.75,47.25 74.75,51.5 ; 71.75,42 72.5,42 76.25,45.75 76.8,46.3 76.8,52.8 ; 71.75,43.5 74.5,46.25 ; 72,43 74.6,45.6 ; 72.25,42.5 74.962,45.212 ; 75.25,47.15 75.25,51.5 ; 75.75,47.275 75.75,51.75 ; 77.25,47 77.25,53.25 ; 77.75,47.5 77.75,53.25 ; 78.25,48.25 78.25,48.5 78.25,53.25 ; 78.75,48.5 78.75,53.25 ; 59.75,41.5 59.75,41.5 ; 74.5,46.25 74.5,46.25 ; 74.962,45.212 74.962,45.213
Bottom Solder:
  lines w0.254: 53,43.25 53,49.75 53.5,50.25 ; 53.5,49.5 53.5,43.5 53.75,43.25 ; 53.75,42.25 53.25,42.25 52.5,43 52.5,43.25 52.5,46.75 52.5,50 53.25,50.75 53.75,50.75 ; 54,43.75 54,44 54,49 ; 56,43.75 56.25,44 56.25,48.75

## Text inside footprints (layer, text, board x,y; h text height)
D2: Top Overlay "*" at 35,34.165 h1.27; Mechanical 13 "*" at 36.289,34.165 h1.27
PS1: Top Overlay "L" at 46.1,53.9 h1.52 r270; Top Overlay "N" at 46.1,57.4 h1.52 r270; Top Overlay "+12" at 46.1,71.4 h1.52 r270; Top Overlay "GND" at 46.1,72.9 h1.52
U1: Mechanical 13 "*" at 33.037,28.808 h1.27; Bottom Overlay "*" at 34.713,29.899 h1.27